# Allegro board 1156197-TDI_VU3P_QSFP28_CXP_V001_1023A-166-20241121_1644_PCB.brd
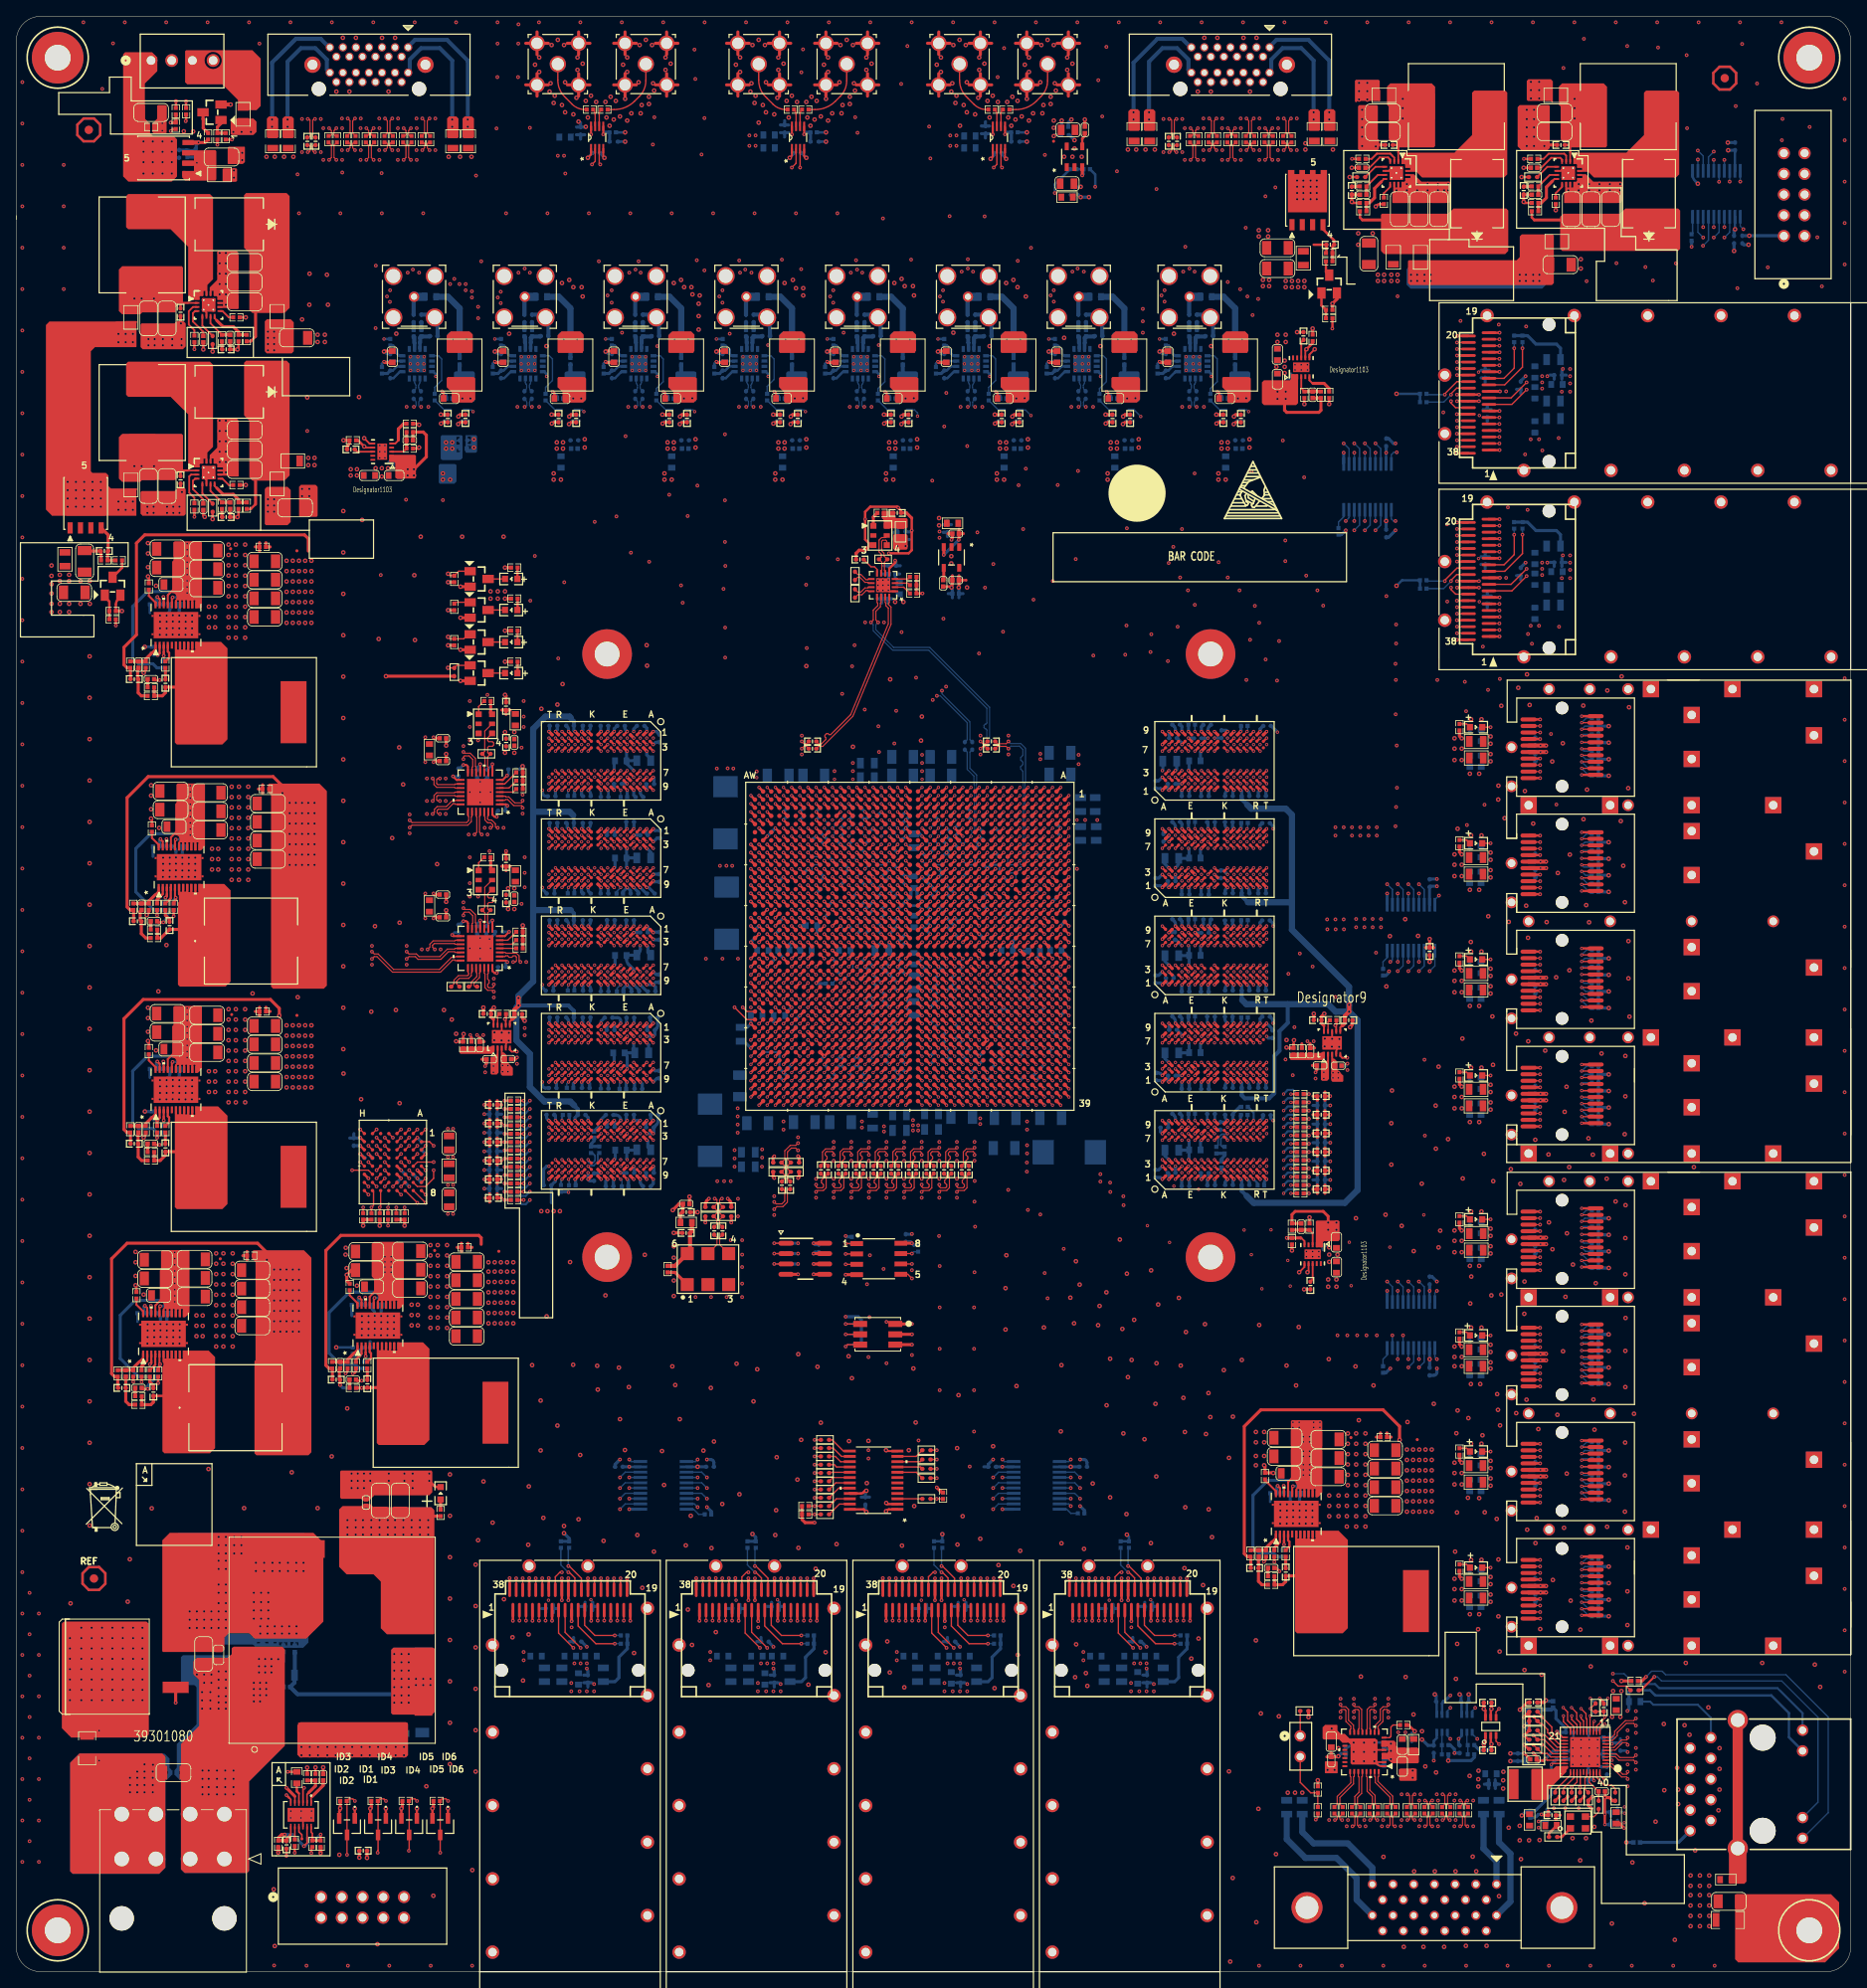
[diagram p0: board, top side]
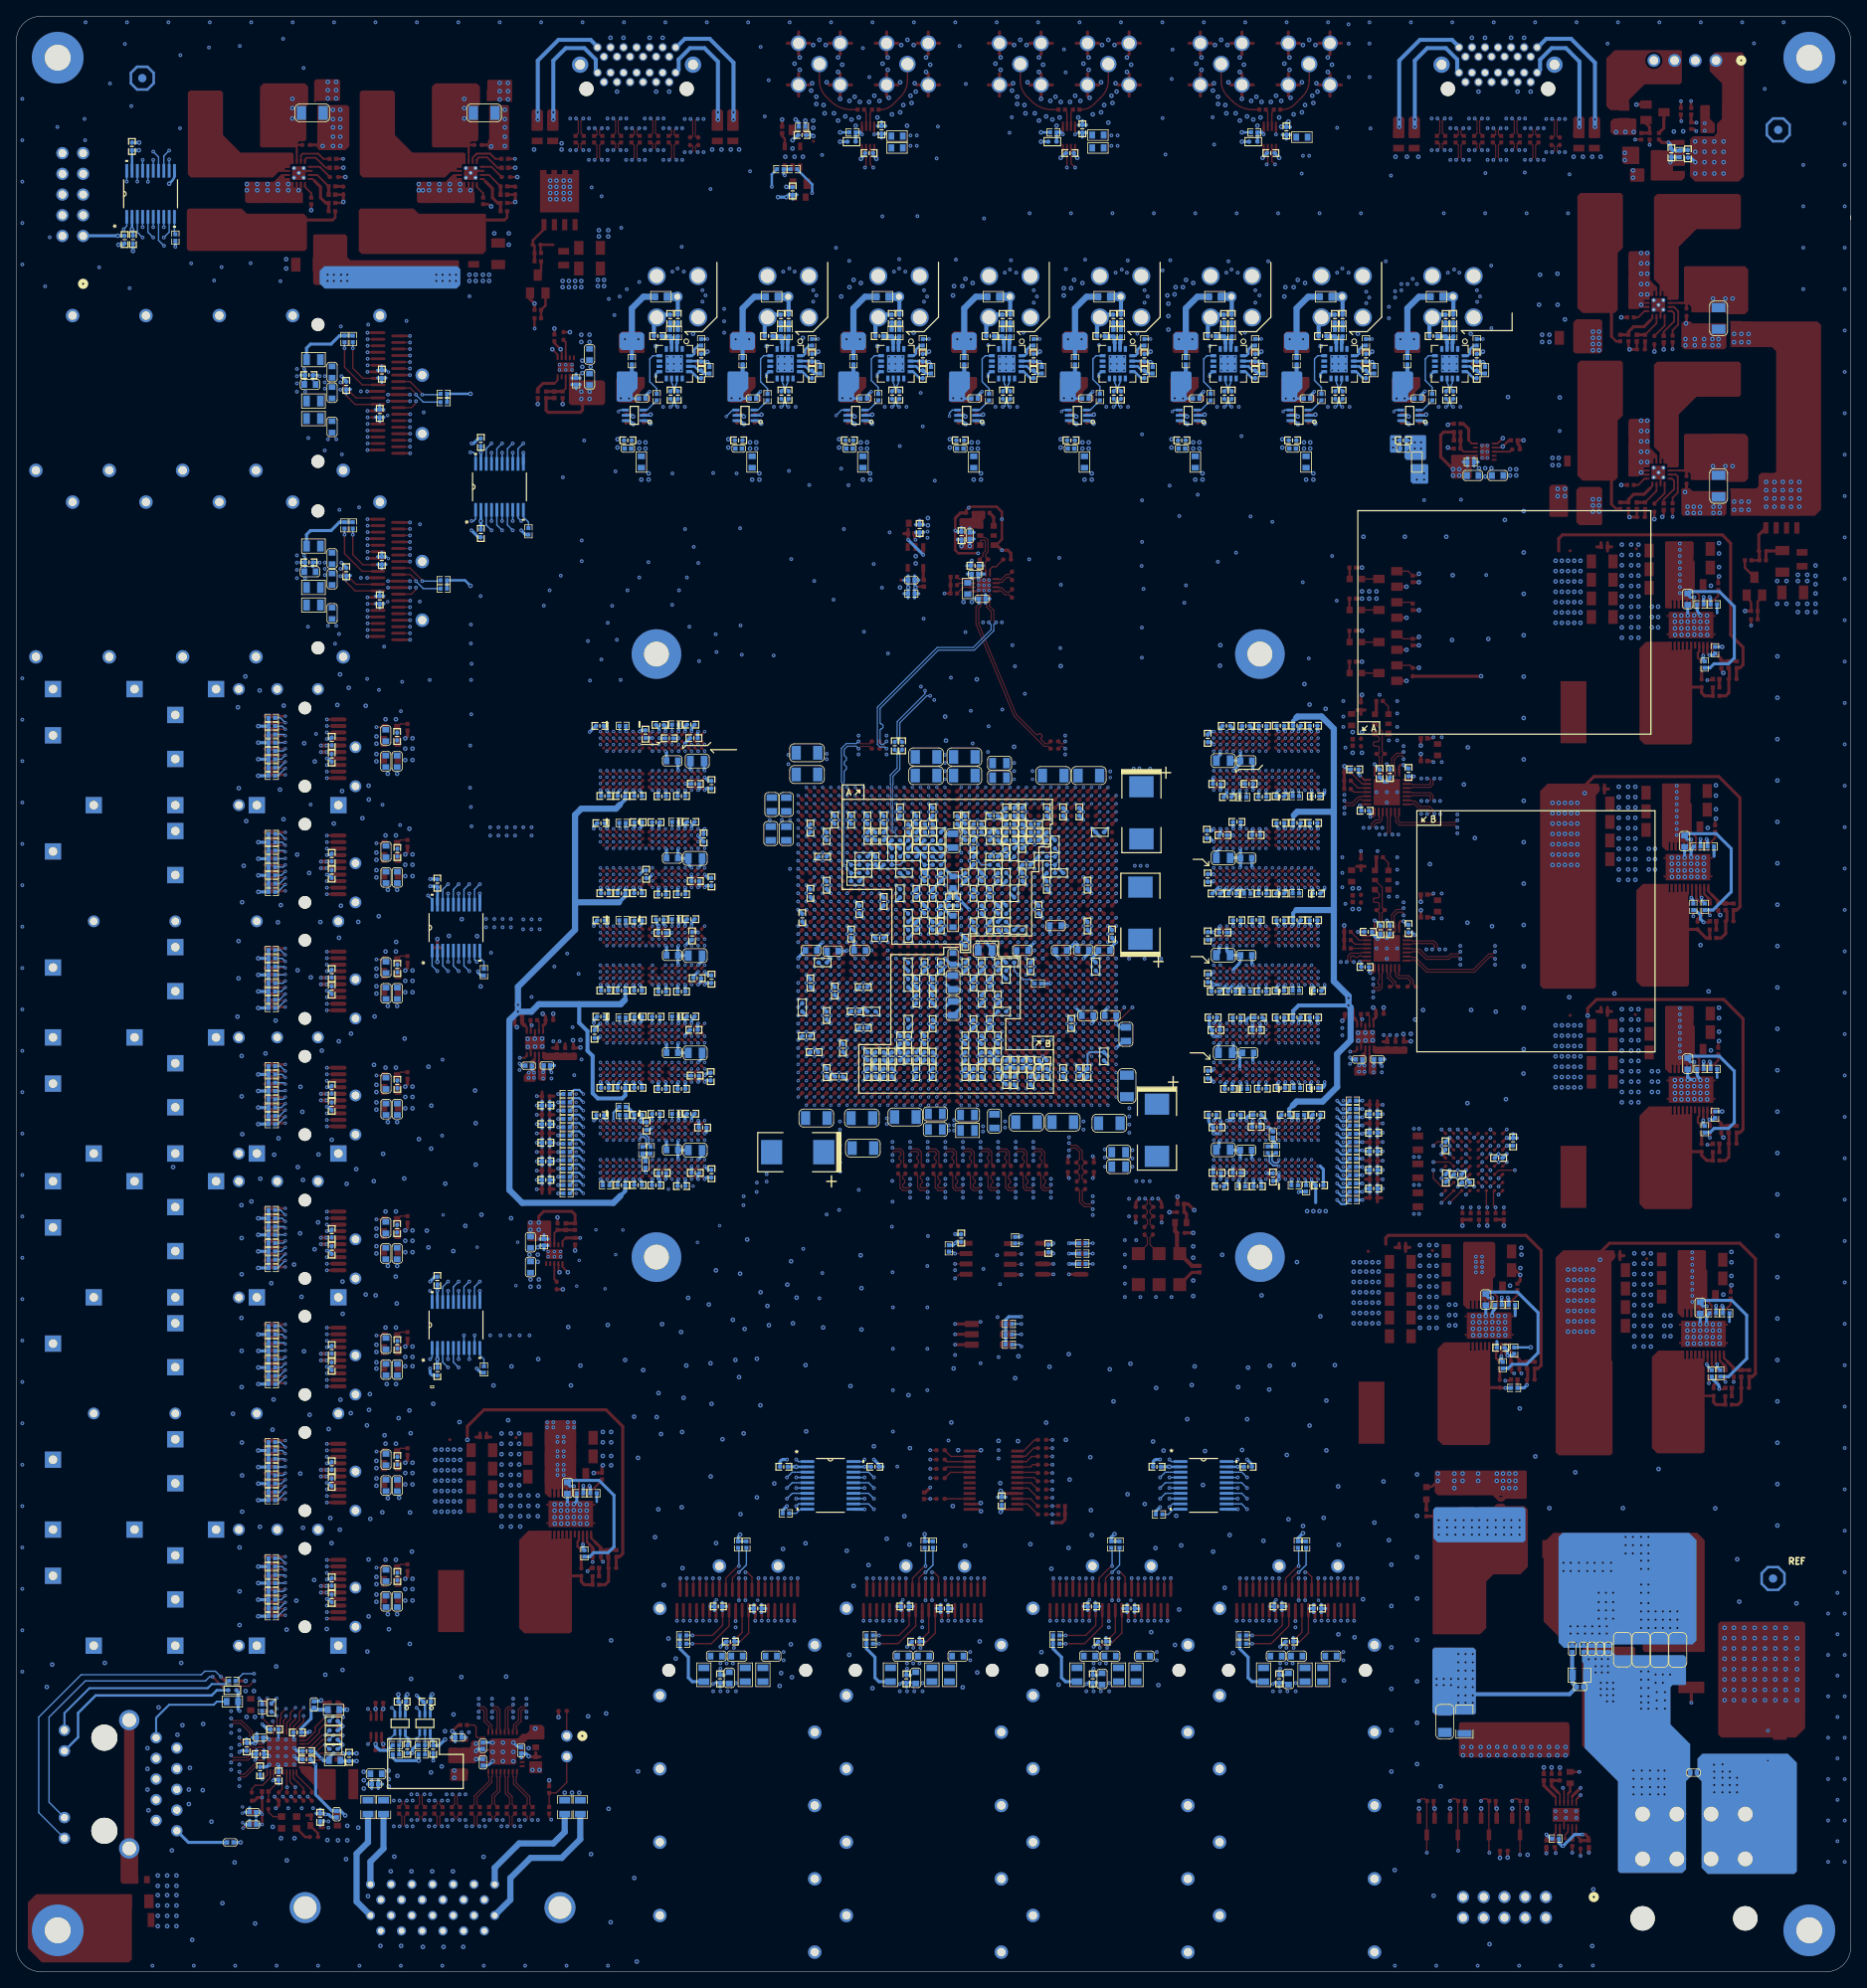
[diagram p1: board, bottom side, seen from below]

Outline 225 x 240 mm; copper layers: TOP, GND02, ART03, GND04, ART05, GND06, ART07, GND08, POWER09, POWER10, GND11, ART12, GND13, ART14, GND15, ART16, GND17, BOTTOM. Coordinates in mm from the lower left corner of the outline.
Outline path: 0,237 arc(0.88,239.12) 3,240 222,240 arc(224.12,239.12) 225,237 225,3 arc(224.12,0.88) 222,0 3,0 arc(0.88,0.88) 0,3 0,215.53 0,215.05 0,237

## Design rules (mm)
net group 100M_N: nets 100M_N N29496864
net group 100M_P: nets 100M_P N29496862
net group 125M_: nets 125M_N 125M_P
net group 156M25_: nets 156M25_N 156M25_P
net group CHA_BPI_FLASH_CLK: nets CHA_BPI_FLASH_CLK N29256286
net group CHA_BPI_FLASH_RST_B: nets CHA_BPI_FLASH_RST_B CHA_FPGA_INIT_B
net group CHA_BPI_FLASH_WAIT: nets CHA_BPI_FLASH_WAIT N29254735
net group CHA_CXP1_TXLF: nets CHA_CXP1_TXLF N23244330
net group CHA_CXP2_24V_PWREN: nets CHA_CXP2_24V_PWREN N29938892
net group CHA_CXP2_TXLF: nets CHA_CXP2_TXLF N25442963
net group CHA_CXP3_TXLF: nets CHA_CXP3_TXLF N25447534
net group CHA_CXP4_TXLF: nets CHA_CXP4_TXLF N25447429
net group CHA_CXP5_TXLF: nets CHA_CXP5_TXLF N29778819
net group CHA_CXP6_TXLF: nets CHA_CXP6_TXLF N29778894
net group CHA_CXP7_TXLF: nets CHA_CXP7_TXLF N29779005
net group CHA_CXP8_TXLF: nets CHA_CXP8_TXLF N29778986
net group CHA_CXP_24V_PWREN: nets CHA_CXP_24V_PWREN N29911008
net group CHA_DDR4_CLK2: nets DDR4_CLK2_N_200M DDR4_CLK2_P_200M
net group CHA_FAN_FG: nets CHA_FAN_FG N28846813
net group CHA_FAN_PWM: nets CHA_FAN_PWM N29053114
net group CHA_FAN_PWREN: nets CHA_FAN_PWREN N28986415
net group CHA_MGTH224_RXN0: nets CHA_MGTH224_RXN0 N25440426
net group CHA_MGTH224_RXN1: nets CHA_MGTH224_RXN1 N25442780
net group CHA_MGTH224_RXN2: nets CHA_MGTH224_RXN2 N25446935
net group CHA_MGTH224_RXN3: nets CHA_MGTH224_RXN3 N25447235
net group CHA_MGTH224_RXP0: nets CHA_MGTH224_RXP0 N25440425
net group CHA_MGTH224_RXP1: nets CHA_MGTH224_RXP1 N25442778
net group CHA_MGTH224_RXP2: nets CHA_MGTH224_RXP2 N25446933
net group CHA_MGTH224_RXP3: nets CHA_MGTH224_RXP3 N25447233
net group CHA_MGTH225_RXN0: nets CHA_MGTH225_RXN0 N29778835
net group CHA_MGTH225_RXN1: nets CHA_MGTH225_RXN1 N29778851
net group CHA_MGTH225_RXN2: nets CHA_MGTH225_RXN2 N29778910
net group CHA_MGTH225_RXN3: nets CHA_MGTH225_RXN3 N29778945
net group CHA_MGTH225_RXP0: nets CHA_MGTH225_RXP0 N29778834
net group CHA_MGTH225_RXP1: nets CHA_MGTH225_RXP1 N29778850
net group CHA_MGTH225_RXP2: nets CHA_MGTH225_RXP2 N29778909
net group CHA_MGTH225_RXP3: nets CHA_MGTH225_RXP3 N29778944
net group CHA_MGTY_124_CLK0_N: nets CHA_MGTY_124_CLK0_N N29552001
net group CHA_MGTY_124_CLK0_P: nets CHA_MGTY_124_CLK0_P N29551980
net group CHA_MGTY_124_CLK1_N: nets CHA_MGTY_124_CLK1_N N29657007
net group CHA_MGTY_124_CLK1_P: nets CHA_MGTY_124_CLK1_P N29656991
net group CHA_MGTY_125_CLK0_N: nets CHA_MGTY_125_CLK0_N N29553024
net group CHA_MGTY_125_CLK0_P: nets CHA_MGTY_125_CLK0_P N29553003
net group CHA_MGTY_125_CLK1_N: nets CHA_MGTY_125_CLK1_N N29657077
net group CHA_MGTY_125_CLK1_P: nets CHA_MGTY_125_CLK1_P N29657061
net group CHA_MGTY_126_CLK0_N: nets CHA_MGTY_126_CLK0_N N29553547
net group CHA_MGTY_126_CLK0_P: nets CHA_MGTY_126_CLK0_P N29553526
net group CHA_MGTY_126_CLK1_N: nets CHA_MGTY_126_CLK1_N N29657167
net group CHA_MGTY_126_CLK1_P: nets CHA_MGTY_126_CLK1_P N29657151
net group CHA_MGTY_127_CLK0_N: nets CHA_MGTY_127_CLK0_N N29291820
net group CHA_MGTY_127_CLK0_P: nets CHA_MGTY_127_CLK0_P N29291799
net group CHA_MGTY_127_CLK1_N: nets CHA_MGTY_127_CLK1_N N29657251
net group CHA_MGTY_127_CLK1_P: nets CHA_MGTY_127_CLK1_P N29657235
net group CHA_MGTY_128_CLK0_N: nets CHA_MGTY_128_CLK0_N N29783864
net group CHA_MGTY_128_CLK0_P: nets CHA_MGTY_128_CLK0_P N29783843
net group CHA_MGTY_224_CLK0_N: nets CHA_MGTY_224_CLK0_N N29556408
net group CHA_MGTY_224_CLK0_P: nets CHA_MGTY_224_CLK0_P N29556387
net group CHA_MGTY_225_CLK0_N: nets CHA_MGTY_225_CLK0_N N29557470
net group CHA_MGTY_225_CLK0_P: nets CHA_MGTY_225_CLK0_P N29557449
net group CHA_MGTY_226_CLK0_N: nets CHA_MGTY_226_CLK0_N N29558010
net group CHA_MGTY_226_CLK0_P: nets CHA_MGTY_226_CLK0_P N29557994
net group CHA_MGTY_227_CLK0_N: nets CHA_MGTY_227_CLK0_N N29558500
net group CHA_MGTY_227_CLK0_P: nets CHA_MGTY_227_CLK0_P N29558479
net group CHA_MGTY_228_CLK0_N: nets CHA_MGTY_228_CLK0_N N29559145
net group CHA_MGTY_228_CLK0_P: nets CHA_MGTY_228_CLK0_P N29559124
net group CHA_QSFP2_RX0_: nets CHA_QSFP2_RX0_N CHA_QSFP2_RX0_P
net group CHA_QSFP2_RX1_: nets CHA_QSFP2_RX1_N CHA_QSFP2_RX1_P
net group CHA_QSFP2_RX2_: nets CHA_QSFP2_RX2_N CHA_QSFP2_RX2_P
net group CHA_QSFP2_RX3_: nets CHA_QSFP2_RX3_N CHA_QSFP2_RX3_P
net group CHA_QSFP2_TX0_: nets CHA_QSFP2_TX0_N CHA_QSFP2_TX0_P
net group CHA_QSFP2_TX1_: nets CHA_QSFP2_TX1_N CHA_QSFP2_TX1_P
net group CHA_QSFP2_TX2_: nets CHA_QSFP2_TX2_N CHA_QSFP2_TX2_P
net group CHA_QSFP2_TX3_: nets CHA_QSFP2_TX3_N CHA_QSFP2_TX3_P
net group CHA_QSFP3_RX0_: nets CHA_QSFP3_RX0_N CHA_QSFP3_RX0_P
net group CHA_QSFP3_RX1_: nets CHA_QSFP3_RX1_N CHA_QSFP3_RX1_P
net group CHA_QSFP3_RX2_: nets CHA_QSFP3_RX2_N CHA_QSFP3_RX2_P
net group CHA_QSFP3_RX3_: nets CHA_QSFP3_RX3_N CHA_QSFP3_RX3_P
net group CHA_QSFP3_TX0_: nets CHA_QSFP3_TX0_N CHA_QSFP3_TX0_P
net group CHA_QSFP3_TX1_: nets CHA_QSFP3_TX1_N CHA_QSFP3_TX1_P
net group CHA_QSFP3_TX2_: nets CHA_QSFP3_TX2_N CHA_QSFP3_TX2_P
net group CHA_QSFP3_TX3_: nets CHA_QSFP3_TX3_N CHA_QSFP3_TX3_P
net group CHA_QSFP4_RX0_: nets CHA_QSFP4_RX0_N CHA_QSFP4_RX0_P
net group CHA_QSFP4_RX1_: nets CHA_QSFP4_RX1_N CHA_QSFP4_RX1_P
net group CHA_QSFP4_RX2_: nets CHA_QSFP4_RX2_N CHA_QSFP4_RX2_P
net group CHA_QSFP4_RX3_: nets CHA_QSFP4_RX3_N CHA_QSFP4_RX3_P
net group CHA_QSFP4_TX0_: nets CHA_QSFP4_TX0_N CHA_QSFP4_TX0_P
net group CHA_QSFP4_TX1_: nets CHA_QSFP4_TX1_N CHA_QSFP4_TX1_P
net group CHA_QSFP4_TX2_: nets CHA_QSFP4_TX2_N CHA_QSFP4_TX2_P
net group CHA_QSFP4_TX3_: nets CHA_QSFP4_TX3_N CHA_QSFP4_TX3_P
net group CHA_QSFP5_RX0_: nets CHA_QSFP5_RX0_N CHA_QSFP5_RX0_P
net group CHA_QSFP5_RX1_: nets CHA_QSFP5_RX1_N CHA_QSFP5_RX1_P
net group CHA_QSFP5_RX2_: nets CHA_QSFP5_RX2_N CHA_QSFP5_RX2_P
net group CHA_QSFP5_RX3_: nets CHA_QSFP5_RX3_N CHA_QSFP5_RX3_P
net group CHA_QSFP5_TX0_: nets CHA_QSFP5_TX0_N CHA_QSFP5_TX0_P
net group CHA_QSFP5_TX1_: nets CHA_QSFP5_TX1_N CHA_QSFP5_TX1_P
net group CHA_QSFP5_TX2_: nets CHA_QSFP5_TX2_N CHA_QSFP5_TX2_P
net group CHA_QSFP5_TX3_: nets CHA_QSFP5_TX3_N CHA_QSFP5_TX3_P
net group CHA_QSFP6_RX0_: nets CHA_QSFP6_RX0_N CHA_QSFP6_RX0_P
net group CHA_QSFP6_RX1_: nets CHA_QSFP6_RX1_N CHA_QSFP6_RX1_P
net group CHA_QSFP6_RX2_: nets CHA_QSFP6_RX2_N CHA_QSFP6_RX2_P
net group CHA_QSFP6_RX3_: nets CHA_QSFP6_RX3_N CHA_QSFP6_RX3_P
net group CHA_QSFP6_TX0_: nets CHA_QSFP6_TX0_N CHA_QSFP6_TX0_P
net group CHA_QSFP6_TX1_: nets CHA_QSFP6_TX1_N CHA_QSFP6_TX1_P
net group CHA_QSFP6_TX2_: nets CHA_QSFP6_TX2_N CHA_QSFP6_TX2_P
net group CHA_QSFP6_TX3_: nets CHA_QSFP6_TX3_N CHA_QSFP6_TX3_P
net group CHA_QSFP7_RX0_: nets CHA_QSFP7_RX0_N CHA_QSFP7_RX0_P
net group CHA_QSFP7_RX1_: nets CHA_QSFP7_RX1_N CHA_QSFP7_RX1_P
net group CHA_QSFP7_RX2_: nets CHA_QSFP7_RX2_N CHA_QSFP7_RX2_P
net group CHA_QSFP7_RX3_: nets CHA_QSFP7_RX3_N CHA_QSFP7_RX3_P
net group CHA_QSFP7_TX0_: nets CHA_QSFP7_TX0_N CHA_QSFP7_TX0_P
net group CHA_QSFP7_TX1_: nets CHA_QSFP7_TX1_N CHA_QSFP7_TX1_P
net group CHA_QSFP7_TX2_: nets CHA_QSFP7_TX2_N CHA_QSFP7_TX2_P
net group CHA_QSFP7_TX3_: nets CHA_QSFP7_TX3_N CHA_QSFP7_TX3_P
net group CHA_SFP+_0_RXD_: nets CHA_SFP+_0_RXD_N CHA_SFP+_0_RXD_P
net group CHA_SFP+_0_TXD_: nets CHA_SFP+_0_TXD_N CHA_SFP+_0_TXD_P
net group CHA_SFP+_1_RXD_: nets CHA_SFP+_1_RXD_N CHA_SFP+_1_RXD_P
net group CHA_SFP+_1_TXD_: nets CHA_SFP+_1_TXD_N CHA_SFP+_1_TXD_P
net group CHA_SFP+_2_RXD_: nets CHA_SFP+_2_RXD_N CHA_SFP+_2_RXD_P
net group CHA_SFP+_2_TXD_: nets CHA_SFP+_2_TXD_N CHA_SFP+_2_TXD_P
net group CHA_SFP+_3_RXD_: nets CHA_SFP+_3_RXD_N CHA_SFP+_3_RXD_P
net group CHA_SFP+_3_TXD_: nets CHA_SFP+_3_TXD_N CHA_SFP+_3_TXD_P
net group CHA_SFP+_4_RXD_: nets CHA_SFP+_4_RXD_N CHA_SFP+_4_RXD_P
net group CHA_SFP+_4_TXD_: nets CHA_SFP+_4_TXD_N CHA_SFP+_4_TXD_P
net group CHA_SFP+_5_RXD_: nets CHA_SFP+_5_RXD_N CHA_SFP+_5_RXD_P
net group CHA_SFP+_5_TXD_: nets CHA_SFP+_5_TXD_N CHA_SFP+_5_TXD_P
net group CHA_SFP+_6_RXD_: nets CHA_SFP+_6_RXD_N CHA_SFP+_6_RXD_P
net group CHA_SFP+_6_TXD_: nets CHA_SFP+_6_TXD_N CHA_SFP+_6_TXD_P
net group CHA_SFP+_7_RXD_: nets CHA_SFP+_7_RXD_N CHA_SFP+_7_RXD_P
net group CHA_SFP+_7_TXD_: nets CHA_SFP+_7_TXD_N CHA_SFP+_7_TXD_P
net group DDR4_1V2_EN: nets DDR4_1V2_EN DDR4_2V5_PG
net group DDR4_200M_: nets CHA_DDR4_CLK1_N_200M CHA_DDR4_CLK1_P_200M
net group DIFFPAIR11: nets N29296114 N29296138
net group DIFFPAIR12: nets N29296089 N29296106
net group DP1: nets CHA_DDR4_CLK2_N_200M CHA_DDR4_CLK2_P_200M
net group DP2: nets N29783182 N29783195
net group DP3: nets N29783199 N29783212
net group DP_DDR4_200M: nets DDR4_200M_N DDR4_200M_P
net group DP_DDR4_CLK1_N_200M: nets DDR4_CLK1_N_200M DDR4_CLK1_P_200M
net group N29863544: nets N29863542 N29863544
net group N29863635: nets N29863635 N29863669
net group N29863792: nets N29863790 N29863792
net group N29863883: nets N29863883 N29863917
net group N29864563: nets N29864561 N29864563
net group N29864666: nets N29864666 N29864700
net group N287148553: nets N28714995 N287148553
net group N287270873: nets N28727227 N287270873
net group RF_FPS_TRIGGER_N_C: nets N28609998 RF_FPS_TRIGGER_N_C
net group RF_FPS_TRIGGER_P_C: nets N28609975 RF_FPS_TRIGGER_P_C
net group RF_MOD_IN_FIXED_N_C: nets N28610073 RF_MOD_IN_FIXED_N_C
net group RF_MOD_IN_FIXED_P_C: nets N28610050 RF_MOD_IN_FIXED_P_C
net group RF_MOD_IN_VARIABLE_N_C: nets N28610127 RF_MOD_IN_VARIABLE_N_C
net group RF_MOD_IN_VARIABLE_P_C: nets N28610104 RF_MOD_IN_VARIABLE_P_C
net group RF_SYNC_N: nets N28609722 RF_SYNC_N
net group RF_SYNC_P: nets N28609702 RF_SYNC_P
net group TIMING_SPI_CLK_N_C: nets N28609924 TIMING_SPI_CLK_N_C
net group TIMING_SPI_CLK_P_C: nets N28609886 TIMING_SPI_CLK_P_C
net group TIMING_SPI_CSN_N: nets N28609682 TIMING_SPI_CSN_N
net group TIMING_SPI_CSN_P: nets N28609662 TIMING_SPI_CSN_P
net group TIMING_SPI_MISO_N: nets N28609780 TIMING_SPI_MISO_N
net group TIMING_SPI_MISO_P: nets N28609760 TIMING_SPI_MISO_P
net group TIMING_SPI_MOSI_N: nets N28609642 TIMING_SPI_MOSI_N
net group TIMING_SPI_MOSI_P: nets N28609622 TIMING_SPI_MOSI_P
net group TO_CAMERA2_CLK_N: nets N29807608 TO_CAMERA2_CLK_N
net group TO_CAMERA2_CLK_P: nets N29807581 TO_CAMERA2_CLK_P
net group TO_CAMERA2_LVDS0_N: nets N29807305 TO_CAMERA2_LVDS0_N
net group TO_CAMERA2_LVDS0_P: nets N29807287 TO_CAMERA2_LVDS0_P
net group TO_CAMERA2_LVDS1_N: nets N29807430 TO_CAMERA2_LVDS1_N
net group TO_CAMERA2_LVDS1_P: nets N29807406 TO_CAMERA2_LVDS1_P
net group TO_CAMERA2_LVDS2_N: nets N29807516 TO_CAMERA2_LVDS2_N
net group TO_CAMERA2_LVDS2_P: nets N29807492 TO_CAMERA2_LVDS2_P
net group TO_CAMERA2_RSV_LVDS0_N: nets N29865516 TO_CAMERA2_RSV_LVDS0_N
net group TO_CAMERA2_RSV_LVDS0_P: nets N29865498 TO_CAMERA2_RSV_LVDS0_P
net group TO_CAMERA2_RSV_LVDS1_N: nets N29865552 TO_CAMERA2_RSV_LVDS1_N
net group TO_CAMERA2_RSV_LVDS1_P: nets N29865534 TO_CAMERA2_RSV_LVDS1_P
net group TO_CAMERA2_RSV_LVDS2_N: nets N29865588 TO_CAMERA2_RSV_LVDS2_N
net group TO_CAMERA2_RSV_LVDS2_P: nets N29865570 TO_CAMERA2_RSV_LVDS2_P
net group TO_CAMERA_CLK_N: nets N29803507 TO_CAMERA_CLK_N
net group TO_CAMERA_CLK_P: nets N29803511 TO_CAMERA_CLK_P
net group TO_CAMERA_LVDS0_N: nets N29803510 TO_CAMERA_LVDS0_N
net group TO_CAMERA_LVDS0_P: nets N29803512 TO_CAMERA_LVDS0_P
net group TO_CAMERA_LVDS1_N: nets N29803505 TO_CAMERA_LVDS1_N
net group TO_CAMERA_LVDS1_P: nets N29803509 TO_CAMERA_LVDS1_P
net group TO_CAMERA_LVDS2_N: nets N29803513 TO_CAMERA_LVDS2_N
net group TO_CAMERA_LVDS2_P: nets N29803506 TO_CAMERA_LVDS2_P
net group TO_CAMERA_RSV_LVDS0_N: nets N29865288 TO_CAMERA_RSV_LVDS0_N
net group TO_CAMERA_RSV_LVDS0_P: nets N29865270 TO_CAMERA_RSV_LVDS0_P
net group TO_CAMERA_RSV_LVDS1_N: nets N29865324 TO_CAMERA_RSV_LVDS1_N
net group TO_CAMERA_RSV_LVDS1_P: nets N29865306 TO_CAMERA_RSV_LVDS1_P
net group TO_CAMERA_RSV_LVDS2_N: nets N29865360 TO_CAMERA_RSV_LVDS2_N
net group TO_CAMERA_RSV_LVDS2_P: nets N29865342 TO_CAMERA_RSV_LVDS2_P
net group TO_DATA_ACQ_1_CLK_N: nets N29495929 TO_DATA_ACQ_1_CLK_N
net group TO_DATA_ACQ_1_CLK_P: nets N29495921 TO_DATA_ACQ_1_CLK_P
net group 39OHM: nets CHA_FPGA_DDR4_C1_RESET
net group 75OHM: nets N29778785 N29778786 N29778792 N29778795 N29778859 N29778860 N29778867 N29778870 N29778918 N29778919 N29778926 N29778929 N29778953 N29778954 N29778958 N29778961 N29779008 N29779011 N29779015 N29779020
net group CHA_MGTAVTT_GOOD: nets CHA_MGTAVTT_GOOD N28729887 N28914763
net group CLK: nets CHA_QSFP2_I2C_SCL CHA_QSFP2_I2C_SDA CHA_QSFP3_I2C_SCL CHA_QSFP3_I2C_SDA CHA_QSFP4_I2C_SCL CHA_QSFP4_I2C_SDA CHA_QSFP5_I2C_SCL CHA_QSFP5_I2C_SDA CHA_QSFP6_I2C_SCL CHA_QSFP6_I2C_SDA CHA_QSFP7_I2C_SCL CHA_QSFP7_I2C_SDA CLK_SEL FPGA_ETH_RST_B I2C_MAIN_RST I2C_MAIN_SCL I2C_MAIN_SDA
net group POWER: nets 1V8_ROVP CHA_AGND CHA_DDR4_C1_VREF CHA_DDR4_C1_VTT CHA_DDR4_C2_VREF DVDD10 GND_EARTH GND_FPGA_LAN VCC_1V8_GOOD VCC_3V3_GOOD
net group POWER12V: nets N25767219 N29910847 N29938726
net group POWER24V: nets N28979775 N29788064 N29788120
net group POWER_24V: nets CHA_24V_1 CHA_24V_2 CHA_24V_3 CHA_24V_4

## Placement (name value [footprint] x y rotation side)
C1  0.1UF  [C0402_BGA]  100.6 123.35 90 bottom
C2  0.1UF  [C0402_BGA]  109.6 131.33 90 bottom
C3  0.47UF  [C0402_BGA]  110.6 131.33 90 bottom
C4  47uF  [C0805]  89.79 100.58 180 bottom
C5  22uF  [C0603]  110.11 124.33 270 bottom
C6  0.47UF  [C0402_BGA]  124.6 120.36 270 bottom
C7  0.1UF  [C0402_BGA]  42.55 14.86 0 top
C8  47uF  [C0805]  88.9 115.06 270 bottom
C9  22uF  [C0603]  90.81 117.35 0 bottom
C10  4.7UF  [C0402_BGA]  116.6 114.36 270 bottom
C11  0.47UF  [C0402_BGA]  120.6 112.36 270 bottom
C12  0.1UF  [C0402_BGA]  109.09 90.04 90 bottom
C13  0.1UF  [C0402_BGA]  49.69 101.37 90 bottom
C14  0.1UF  [C0402_BGA]  47.19 96.87 0 bottom
C15  0.1UF  [C0402_BGA]  48.19 97.87 0 bottom
C16  0.1UF  [C0402_BGA]  41.4 101.85 90 bottom
C17  0.1UF  [C0402_BGA]  43.19 99.87 180 bottom
C18  0.1UF  [C0402_BGA]  49.66 97.41 270 bottom
C19  47uF  [C0805]  53.09 101.73 90 top
C20  47uF  [C0805]  53.09 94.74 270 top
C21  4.7UF  [C0402_BGA]  127.6 121.36 270 bottom
C22  0.47UF  [C0402_BGA]  121.1 115.86 0 bottom
C23  0.47UF  [C0402_BGA]  125.6 117.36 270 bottom
C24  22uF  [C0603]  93.6 117.35 0 bottom
C25  0.1UF  [C0402_BGA]  210.69 212.6 270 bottom
C26  0.1UF  [C0402_BGA]  210.82 224.03 90 bottom
C27  0.1UF  [C0402_BGA]  211.71 212.6 270 bottom
C28  22uF  [C0603]  121.54 125.35 0 bottom
C29  4.7UF  [C0402_BGA]  121.11 120.86 180 bottom
C30  0.47UF  [C0402_BGA]  122.1 117.86 180 bottom
C31  0.47UF  [C0402_BGA]  123.6 113.36 270 bottom
C32  47uF  [C0805]  89.79 98.81 180 bottom
C33  22uF  [C0603]  94.13 125.4 0 bottom
C34  0.47UF  [C0402_BGA]  95.6 116.39 270 bottom
C35  4.7UF  [C0402_BGA]  128.1 114.86 0 bottom
C36  0.1UF  [C0402_BGA]  86.61 90.93 270 top
C37  0.1UF  [C0402_BGA]  85.6 90.93 270 top
C38  0.1UF  [C0402_BGA]  93.9 96.52 90 top
C39  0.1UF  [C0402_BGA]  94.92 96.52 90 top
C40  0.47UF  [C0402_BGA]  82.17 90.68 180 top
C41  0.47UF  [C0402_BGA]  82.17 93.22 0 top
C42  10uF  [C0402]  82.17 94.23 0 top
C43  0.1UF  [C0402_BGA]  98.42 88.77 270 bottom
C44  47uF  [C0805]  132.46 139.7 270 bottom
C45  22uF  [C0603]  97.54 128.4 0 bottom
C46  4.7UF  [C0402_BGA]  119.11 126.86 180 bottom
C47  4.7UF  [C0402_BGA]  125.6 133.35 90 bottom
C48  0.47UF  [C0402_BGA]  128.6 129.36 270 bottom
C49  47uF  [C0805]  104.39 146.56 0 bottom
C50  22uF  [C0603]  96.85 125.35 180 bottom
C51  4.7UF  [C0402_BGA]  103.6 137.35 90 bottom
C52  0.47UF  [C0402_BGA]  101.6 134.35 90 bottom
C53  4.7UF  [C0402_BGA]  101.1 135.86 0 bottom
C54  0.1UF  [C0402_BGA]  97.66 151 180 top
C55  0.1UF  [C0402_BGA]  97.66 150.11 180 top
C56  47uF  [C0805]  132.33 143.26 90 bottom
C57  22uF  [C0603]  101.6 125.35 0 bottom
C58  4.7UF  [C0402_BGA]  118.6 131.35 90 bottom
C59  4.7UF  [C0402_BGA]  121.6 130.36 270 bottom
C60  0.47UF  [C0402_BGA]  122.6 127.36 270 bottom
C61  47uF  [C0805]  130.56 139.7 270 bottom
C62  4.7UF  [C0402_BGA]  126.11 136.86 180 bottom
C63  0.47UF  [C0402_BGA]  127.6 132.36 270 bottom
C64  47uF  [C0805]  130.56 143.26 90 bottom
C65  22uF  [C0603]  91.57 125.35 0 bottom
C66  4.7UF  [C0402_BGA]  119.6 136.36 270 bottom
C67  22uF  [C0603]  124.87 125.27 0 bottom
C68  4.7UF  [C0402_BGA]  99.6 130.35 90 bottom
C69  0.47UF  [C0402_BGA]  90.6 127.36 90 bottom
C70  4.7UF  [C0402_BGA]  93.6 133.36 270 bottom
C71  0.1UF  [C0402_BGA]  119.6 151 0 top
C72  0.1UF  [C0402_BGA]  119.6 150.11 0 top
C73  47uF  [C0805]  104.39 148.34 0 bottom
C74  22uF  [C0603]  127.51 125.35 0 bottom
C75  4.7UF  [C0402_BGA]  104.1 127.86 0 bottom
C76  4.7UF  [C0402_BGA]  93.6 128.35 90 bottom
C77  0.47UF  [C0402_BGA]  98.6 133.35 90 bottom
C78  0.1UF  [C0402_BGA]  103 98.42 270 top
C79  0.1UF  [C0402_BGA]  107.31 98.42 270 top
C80  0.1UF  [C0402_BGA]  99.57 98.42 270 top
C81  0.1UF  [C0402_BGA]  103.89 98.42 270 top
C82  0.1UF  [C0402_BGA]  108.2 98.42 270 top
C83  0.1UF  [C0402_BGA]  98.68 98.42 270 top
C84  0.1UF  [C0402_BGA]  106.05 98.42 270 top
C85  0.1UF  [C0402_BGA]  110.36 98.42 270 top
C86  0.1UF  [C0402_BGA]  101.73 98.42 270 top
C87  0.1UF  [C0402_BGA]  105.16 98.42 270 top
C88  0.1UF  [C0402_BGA]  109.47 98.42 270 top
C89  0.1UF  [C0402_BGA]  100.84 98.42 270 top
C90  0.1UF  [C0402_BGA]  112.52 98.42 270 top
C91  0.1UF  [C0402_BGA]  111.63 98.42 270 top
C92  0.1UF  [C0402_BGA]  115.95 98.42 270 top
C93  0.1UF  [C0402_BGA]  113.79 98.42 270 top
C94  0.1UF  [C0402_BGA]  116.84 98.42 270 top
C95  0.1UF  [C0402_BGA]  114.68 98.42 270 top
C96  0.1UF  [C0402_BGA]  103.11 139.86 180 bottom